# KiCad board glasgow-pmod.kicad_pcb
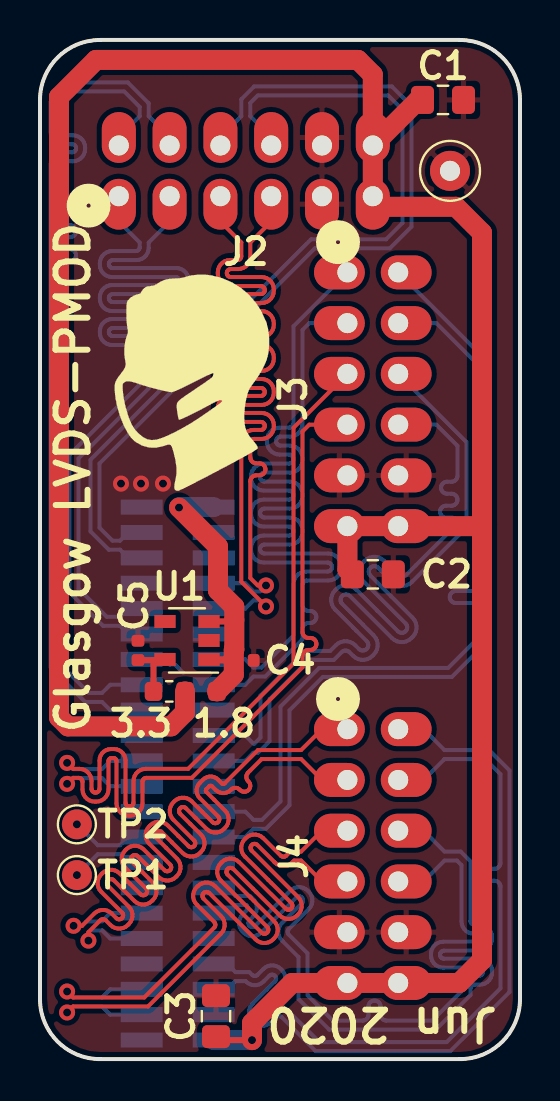
[diagram p0: board, top side]
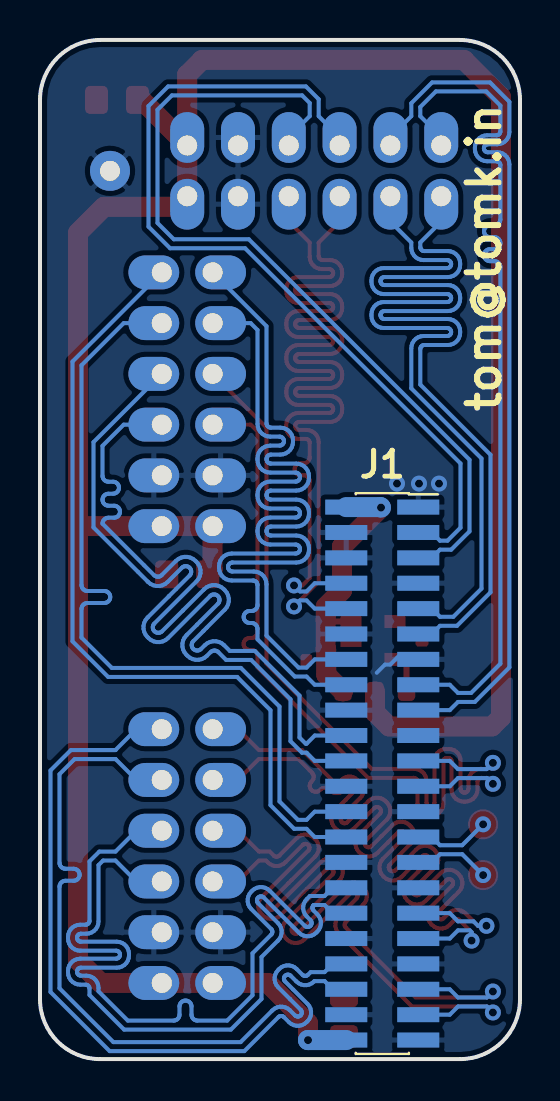
[diagram p1: board, bottom side, seen from below]

Outline 24 x 51 mm; copper layers: Top, Bottom. Coordinates in mm from the lower left corner of the outline.
Outline path: 0,48 0,3 arc(0.88,0.88) 3,0 21,0 arc(23.12,0.88) 24,3 24,48 arc(23.12,50.12) 21,51 3,51 arc(0.88,50.12) 0,48

## Placement (name value [footprint] x y rotation side)
C1  10uF/10V  [C_0805_2012Metric_Pad1.15x1.40mm_HandSolder]  20.15 48 0 top
C2  10uF/10V  [C_0805_2012Metric_Pad1.15x1.40mm_HandSolder]  16.64 24.26 0 top
C3  10uF/10V  [C_0805_2012Metric_Pad1.15x1.40mm_HandSolder]  8.8 2.15 90 top
C4  1uF/6.3V  [C_0402_1005Metric]  10.2 19.95 0 top
C5  1uF/6.3V  [C_0402_1005Metric]  4.9 20.45 90 top
G***  LOGO  [mask_600]  7.6 33.85 0 top
J1  Conn_02x22_Odd_Even  [PinSocket_2x22_P1.27mm_Vertical_SMD]  6.89 14.29 180 bottom
J2  PMOD-2x6-FEMALE  [PMOD_2X6_PTH_RA_SOCKET]  10.29 44.45 180 top
J3  PMOD-2x6-FEMALE  [PMOD_2X6_PTH_RA_SOCKET]  16.64 33.02 90 top
J4  PMOD-2x6-FEMALE  [PMOD_2X6_PTH_RA_SOCKET]  16.64 10.16 90 top
R1  R_1OF2  [C_0603_1608Metric_1OF2]  7.26 18.4 0 top
TP1  Z3_N  [TestPoint_Pad_D1.5mm]  1.84 9.21 0 top
TP2  Z3_P  [TestPoint_Pad_D1.5mm]  1.84 11.75 0 top
TP3  GND  [TestPoint_Loop_D2.50mm_Drill1.0mm]  20.5 44.45 0 top
U1  AP2112K-1.8  [SOT-23-5]  7.35 20.95 180 top

## Footprints (pads in the part's own frame, mm; a bottom-side part is the same pattern mirrored in y, then rotated)
C_0402_1005Metric
  rrect 0.59x0.64 smd: 1(-0.485,0) 2(0.485,0)
C_0603_1608Metric_1OF2
  rrect 0.875x0.95 smd: 1(-1.587,0) 2(-0.013,0) 3(1.587,0)
C_0805_2012Metric_Pad1.15x1.40mm_HandSolder
  rrect 1.15x1.4 smd: 1(-1.025,0) 2(1.025,0)
PinSocket_2x22_P1.27mm_Vertical_SMD
  rect 2.1x0.75 smd: 1(1.8,13.335) 2(-1.8,13.335) 3(1.8,12.065) 4(-1.8,12.065) 5(1.8,10.795) 6(-1.8,10.795) 7(1.8,9.525) 8(-1.8,9.525) 9(1.8,8.255) 10(-1.8,8.255) 11(1.8,6.985) 12(-1.8,6.985) 13(1.8,5.715) 14(-1.8,5.715) 15(1.8,4.445) 16(-1.8,4.445) 17(1.8,3.175) 18(-1.8,3.175) 19(1.8,1.905) 20(-1.8,1.905) 21(1.8,0.635) 22(-1.8,0.635) 23(1.8,-0.635) 24(-1.8,-0.635) 25(1.8,-1.905) 26(-1.8,-1.905) 27(1.8,-3.175) 28(-1.8,-3.175) 29(1.8,-4.445) 30(-1.8,-4.445) 31(1.8,-5.715) 32(-1.8,-5.715) 33(1.8,-6.985) 34(-1.8,-6.985) 35(1.8,-8.255) 36(-1.8,-8.255) 37(1.8,-9.525) 38(-1.8,-9.525) 39(1.8,-10.795) 40(-1.8,-10.795) 41(1.8,-12.065) 42(-1.8,-12.065) 43(1.8,-13.335) 44(-1.8,-13.335)
PMOD_2X6_PTH_RA_SOCKET
  oval 1.7x2.54 hole 1: 1(6.35,1.27) 2(3.81,1.27) 3(1.27,1.27) 4(-1.27,1.27) 5(-3.81,1.27) 6(-6.35,1.27) 7(6.35,-1.27) 8(3.81,-1.27) 9(1.27,-1.27) 10(-1.27,-1.27) 11(-3.81,-1.27) 12(-6.35,-1.27)
SOT-23-5
  rect 1.06x0.65 smd: 1(-1.1,0.95) 2(-1.1,0) 3(-1.1,-0.95) 4(1.1,-0.95) 5(1.1,0.95)
TestPoint_Loop_D2.50mm_Drill1.0mm
  round 2 hole 1: 1(0,0)
TestPoint_Pad_D1.5mm
  round 1.5 smd: 1(0,0)

## Nets
+1V8: C5.1 R1.1 U1.5
+3V3: C4.1 J1.2 R1.3 U1.1 U1.3
GND: C1.2 C2.2 C3.2 C4.2 C5.2 J1.1 J1.4 J1.6 J1.7 J1.12 J1.13 J1.18 J1.19 J1.24 J1.25 J1.30 J1.31 J1.36 J1.37 J1.42 J1.43 J2.5 J2.11 J3.5 J3.11 J4.5 J4.11 TP3.1 U1.2
/VIO_AUX: C1.1 C2.1 C3.1 J1.44 J2.6 J2.12 J3.6 J3.12 J4.6 J4.12 R1.2
/Z0_N: J1.41 J4.4
/Z0_P: J1.39 J4.3
/Z1_N: J1.38 J4.8
/Z1_P: J1.40 J4.7
/Z2_N: J1.33 J4.1
/Z2_P: J1.35 J4.2
/Z3_N: J1.29 TP1.1
/Z3_P: J1.27 TP2.1
/Z4_N: J1.34 J4.9
/Z4_P: J1.32 J4.10
/Z5_N: J1.26 J3.8
/Z5_P: J1.28 J3.7
/Z6_N: J1.23 J3.4
/Z6_P: J1.21 J3.3
/Z7_N: J1.20 J3.10
/Z7_P: J1.22 J3.9
/Z8_N: J1.17 J2.8
/Z8_P: J1.15 J2.7
/Z9_N: J1.14 J3.1
/Z9_P: J1.16 J3.2
/Z10_N: J1.11 J2.1
/Z10_P: J1.9 J2.2
/Z11_N: J1.3 J2.9
/Z11_P: J1.5 J2.10
/Z12_N: J1.10 J2.3
/Z12_P: J1.8 J2.4
Net-(U1-Pad4): U1.4

## Via types
v1: diameter 0.8, hole 0.4, Top to Bottom, 15 vias

## Routing (per net, layer and track width the routed paths; a pad name or vN(x,y) marks a point on that pad's centre or on a via; arc(x,y) is an arc through that point)
+1V8: length 3.2
  Top w0.305: 5.68,18.4 5.68,19.95 5.66,19.97 ; C5.1 5.66,19.97 ; 5.66,19.97 6.22,19.97 U1.5 5.95,20
+3V3: length 17
  Top w0.305: 9.72,21.97 9.65,21.9 U1.3 ; 8.5,19.95 U1.1 9.22,20 9.72,20.5 9.72,19.95 8.5,19.95
  Top w1: v1(6.95,27.6) 8.9,25.65 8.9,23.45 9.72,22.64 9.72,20.5 9.69,20.47 9.69,19.24 R1.3
  Bottom w1: v1(6.95,27.6) 6.97,27.62 8.69,27.62
GND: length 1.6
  Bottom w0.2: 5.97,20.26 6.49,19.74 6.75,19.74 7.16,19.33
  vias: v1(4.05,28.8) v1(5.05,28.8) v1(6.15,28.8)
/VIO_AUX: length 134.9
  Top w0.305: C3.1 8.97,0.95 v1(10.6,0.95)
  Top w1: v1(10.6,0.95) 10.6,1.8 12.61,3.81 J4.6 J4.12 20.96,3.81 22.1,4.95 22.1,26.75 ; 22.1,26.75 22.1,41.35 20.8,42.65 17.17,42.65 J2.6 ; 22.1,26.75 22.02,26.67 J3.12 J3.6 15.37,24.5 15.62,24.26 ; J2.12 16.64,49.26 15.9,50 2.8,50 0.95,48.15 0.95,17.1 1.4,16.65 6.55,16.65 7.25,17.35 R1.2 ; J2.12 J2.6 ; J2.12 18.92,48 C1.1 ; 16.94,42.88 J2.6
  Bottom w1: v1(10.6,0.95) 10.6,0.95 J1.44
/Z0_N: length 40
  Top w0.2: J4.4 14.1,8.89 13.06,9.94 12.7,9.94 12.61,9.84 12.5,9.75 12.38,9.69 12.24,9.66 12.11,9.66 11.97,9.69 11.85,9.75 11.74,9.84 10.87,10.71 10.83,10.74 10.79,10.76 10.75,10.77 10.7,10.77 10.66,10.76 10.62,10.74 10.58,10.71 10.56,10.68 10.54,10.64 10.53,10.59 10.53,10.55 10.54,10.51 10.56,10.47 10.58,10.43 12.91,8.11 12.99,8 13.05,7.88 13.08,7.74 13.08,7.61 13.05,7.47 12.99,7.35 12.91,7.24 12.85,7.19 12.75,7.1 12.62,7.04 12.49,7.01 12.35,7.01 12.22,7.04 12.1,7.1 11.99,7.19 9.67,9.51 9.63,9.54 9.59,9.56 9.55,9.57 9.5,9.57 9.46,9.56 9.42,9.54 9.38,9.51 9.35,9.48 9.34,9.44 9.33,9.39 9.33,9.35 9.34,9.3 9.35,9.26 9.38,9.23 11.71,6.91 11.79,6.8 11.85,6.68 11.88,6.54 11.88,6.4 11.85,6.27 11.79,6.15 11.71,6.04 11.65,5.99 11.54,5.9 11.42,5.84 11.29,5.81 11.15,5.81 11.02,5.84 10.89,5.9 10.79,5.99 8.46,8.31 8.43,8.34 8.39,8.36 8.34,8.37 8.3,8.37 8.26,8.36 8.22,8.34 8.18,8.31 8.15,8.27 8.13,8.23 8.12,8.19 8.12,8.15 8.13,8.1 8.15,8.06 8.18,8.03 9.05,7.15 9.14,7.05 9.2,6.92 9.23,6.79 9.23,6.65 9.2,6.52 9.14,6.39 9.05,6.29 5.4,2.63 1.66,2.63 v1(1.35,2.33)
  Bottom w0.2: v1(1.35,2.33) 1.66,2.63 3.1,2.63 3.51,2.22 J1.41
/Z0_P: length 40
  Top w0.2: J4.3 14.1,11.43 13.06,10.39 12.52,10.39 12.32,10.18 12.28,10.16 12.24,10.14 12.2,10.13 12.15,10.13 12.11,10.14 12.07,10.16 12.03,10.18 11.16,11.06 11.05,11.14 10.93,11.2 10.79,11.23 10.66,11.23 10.52,11.2 10.4,11.14 10.29,11.06 10.24,11.01 10.15,10.9 10.09,10.77 10.06,10.64 10.06,10.5 10.09,10.37 10.15,10.25 10.24,10.14 12.56,7.82 12.59,7.78 12.61,7.74 12.62,7.7 12.62,7.65 12.61,7.61 12.59,7.57 12.56,7.53 12.53,7.51 12.49,7.49 12.44,7.48 12.4,7.48 12.35,7.49 12.31,7.51 12.28,7.53 9.96,9.86 9.85,9.94 9.73,10 9.59,10.03 9.46,10.03 9.32,10 9.2,9.94 9.09,9.86 9.04,9.8 8.95,9.7 8.89,9.57 8.86,9.44 8.86,9.3 8.89,9.17 8.95,9.04 9.04,8.94 11.36,6.61 11.39,6.58 11.41,6.54 11.42,6.5 11.42,6.45 11.41,6.41 11.39,6.37 11.36,6.33 11.33,6.3 11.28,6.28 11.24,6.27 11.2,6.27 11.15,6.28 11.11,6.3 11.08,6.33 8.75,8.65 8.65,8.74 8.52,8.8 8.39,8.83 8.25,8.83 8.12,8.8 8,8.74 7.89,8.65 7.84,8.6 7.75,8.49 7.69,8.37 7.66,8.24 7.66,8.1 7.69,7.97 7.75,7.84 7.84,7.73 8.71,6.86 8.74,6.83 8.76,6.79 8.77,6.74 8.77,6.7 8.76,6.65 8.74,6.61 8.71,6.58 5.21,3.08 1.66,3.08 v1(1.35,3.38)
  Bottom w0.2: J1.39 3.51,3.49 3.1,3.08 1.66,3.08 v1(1.35,3.38)
/Z1_N: length 40.5
  Bottom w0.2: 20.22,15.02 21.79,15.02 ; 20.22,15.02 22.27,15.02 23.03,14.26 23.03,9.83 23.02,9.76 23,9.69 22.96,9.64 22.91,9.59 22.86,9.55 22.79,9.53 22.72,9.53 22.32,9.53 22.25,9.52 22.19,9.5 22.13,9.46 22.09,9.41 22.05,9.36 22.03,9.29 22.02,9.22 22.03,9.16 22.05,9.09 22.09,9.04 22.13,8.99 22.19,8.95 22.25,8.93 22.32,8.92 22.72,8.92 22.79,8.92 22.86,8.9 22.91,8.86 22.96,8.81 23,8.76 23.02,8.69 23.03,8.62 23.03,3.54 20.33,0.85 13.97,0.85 12.37,2.44 12.27,2.53 12.14,2.59 12.01,2.62 11.87,2.62 11.74,2.59 11.61,2.53 11.51,2.44 11.25,2.19 11.22,2.16 11.18,2.14 11.13,2.13 11.09,2.13 11.04,2.14 11,2.16 10.97,2.19 10.94,2.22 10.92,2.26 10.91,2.31 10.91,2.35 10.92,2.4 10.94,2.44 10.97,2.47 12.09,3.59 12.18,3.7 12.24,3.82 12.27,3.96 12.27,4.1 12.24,4.23 12.18,4.35 12.09,4.46 12.04,4.51 11.93,4.6 11.81,4.66 11.67,4.69 11.54,4.69 11.4,4.66 11.28,4.6 11.17,4.51 10.88,4.22 10.84,4.19 10.8,4.17 10.76,4.16 10.72,4.16 10.67,4.17 10.63,4.19 10.6,4.22 10.47,4.35 9.77,4.35 9.36,4.76 8.69,4.76 ; 20.22,15.02 19.18,13.97 J4.8
/Z1_P: length 40.6
  Bottom w0.2: 20.22,15.47 22.45,15.47 23.47,14.44 23.47,3.36 20.52,0.4 13.78,0.4 12.08,2.1 12.05,2.13 12.01,2.15 11.96,2.16 11.92,2.16 11.87,2.15 11.83,2.13 11.8,2.1 11.54,1.84 11.44,1.76 11.31,1.7 11.18,1.67 11.04,1.67 10.91,1.7 10.78,1.76 10.68,1.84 10.62,1.9 10.54,2 10.48,2.13 10.45,2.26 10.45,2.4 10.48,2.53 10.54,2.66 10.62,2.76 11.75,3.89 11.77,3.92 11.79,3.96 11.8,4 11.8,4.05 11.79,4.09 11.77,4.13 11.75,4.17 11.71,4.2 11.67,4.22 11.63,4.23 11.58,4.23 11.54,4.22 11.5,4.2 11.46,4.17 11.17,3.88 11.06,3.79 10.94,3.73 10.81,3.7 10.67,3.7 10.54,3.73 10.41,3.79 10.31,3.88 10.28,3.9 9.77,3.9 9.36,3.49 J1.40 ; 20.22,15.47 19.18,16.51 J4.7 ; 20.22,15.47 21.98,15.47
/Z2_N: length 40
  Top w0.2: v1(1.68,6.67) 2.1,6.67 2.72,7.29 2.82,7.37 2.95,7.43 3.08,7.46 3.22,7.46 3.35,7.43 3.48,7.37 3.58,7.29 3.82,7.05 3.85,7.02 3.89,7.01 3.94,7 3.98,7 4.02,7.01 4.06,7.02 4.1,7.05 4.13,7.09 4.15,7.13 4.16,7.17 4.16,7.22 4.15,7.26 4.13,7.3 4.1,7.34 3.06,8.38 2.97,8.48 2.91,8.61 2.88,8.74 2.88,8.88 2.91,9.01 2.97,9.13 3.06,9.24 3.11,9.3 3.22,9.38 3.34,9.44 3.48,9.47 3.61,9.47 3.75,9.44 3.87,9.38 3.98,9.3 5.02,8.25 5.05,8.23 5.09,8.21 5.14,8.2 5.18,8.2 5.23,8.21 5.27,8.23 5.3,8.25 5.33,8.29 5.35,8.33 5.36,8.37 5.36,8.42 5.35,8.46 5.33,8.5 5.3,8.54 4.26,9.58 4.18,9.69 4.12,9.81 4.09,9.94 4.09,10.08 4.12,10.21 4.18,10.34 4.26,10.44 4.31,10.5 4.42,10.58 4.55,10.64 4.68,10.67 4.82,10.67 4.95,10.64 5.07,10.58 5.18,10.5 6.22,9.46 6.26,9.43 6.3,9.41 6.34,9.4 6.38,9.4 6.43,9.41 6.47,9.43 6.5,9.46 6.53,9.49 6.55,9.53 6.56,9.58 6.56,9.62 6.55,9.66 6.53,9.7 6.5,9.74 5.46,10.78 5.38,10.89 5.32,11.01 5.29,11.14 5.29,11.28 5.32,11.42 5.38,11.54 5.46,11.65 5.52,11.7 5.62,11.78 5.75,11.84 5.88,11.87 6.02,11.87 6.15,11.84 6.28,11.78 6.38,11.7 7.42,10.66 7.46,10.63 7.5,10.61 7.54,10.6 7.59,10.6 7.63,10.61 7.67,10.63 7.71,10.66 7.73,10.69 7.75,10.73 7.76,10.78 7.76,10.82 7.75,10.87 7.73,10.91 7.71,10.94 6.67,11.98 6.58,12.09 6.52,12.21 6.49,12.35 6.49,12.48 6.52,12.62 6.58,12.74 6.67,12.85 6.72,12.9 6.83,12.99 6.95,13.05 7.08,13.08 7.22,13.08 7.35,13.05 7.48,12.99 7.58,12.9 8.62,11.86 8.66,11.83 8.7,11.81 8.74,11.8 8.79,11.8 8.83,11.81 8.87,11.83 8.91,11.86 8.94,11.9 8.95,11.94 8.96,11.98 8.96,12.02 8.95,12.07 8.94,12.11 8.91,12.14 7.98,13.07 7.91,13.16 7.86,13.27 7.83,13.38 7.83,13.5 7.86,13.61 7.91,13.72 7.98,13.81 8.16,13.99 8.25,14.06 8.36,14.11 8.47,14.14 8.59,14.14 8.7,14.11 8.81,14.06 8.9,13.99 9.08,13.81 9.1,13.79 9.13,13.78 9.15,13.77 9.17,13.77 9.2,13.78 9.22,13.79 9.24,13.81 10.9,15.47 13.06,15.47 14.1,16.51 J4.1
  Bottom w0.2: J1.33 3.51,7.3 3.1,6.89 2.32,6.89 2.1,6.67 v1(1.68,6.67)
/Z2_P: length 40
  Top w0.2: v1(2.42,5.93) 2.42,6.35 3.01,6.94 3.04,6.97 3.08,6.99 3.13,7 3.17,7 3.22,6.99 3.26,6.97 3.29,6.94 3.52,6.71 3.63,6.62 3.76,6.56 3.89,6.53 4.03,6.53 4.16,6.56 4.28,6.62 4.39,6.71 4.44,6.76 4.53,6.87 4.59,6.99 4.62,7.13 4.62,7.26 4.59,7.4 4.53,7.52 4.44,7.63 3.4,8.67 3.38,8.7 3.36,8.74 3.35,8.79 3.35,8.83 3.36,8.87 3.38,8.92 3.4,8.95 3.44,8.98 3.48,9 3.52,9.01 3.57,9.01 3.61,9 3.65,8.98 3.69,8.95 4.73,7.91 4.83,7.82 4.96,7.77 5.09,7.73 5.23,7.73 5.36,7.77 5.49,7.82 5.59,7.91 5.65,7.96 5.73,8.07 5.79,8.19 5.82,8.33 5.82,8.46 5.79,8.6 5.73,8.72 5.65,8.83 4.61,9.87 4.58,9.9 4.56,9.94 4.55,9.99 4.55,10.03 4.56,10.08 4.58,10.12 4.61,10.15 4.64,10.18 4.68,10.2 4.72,10.21 4.77,10.21 4.81,10.2 4.85,10.18 4.89,10.15 5.93,9.11 6.04,9.03 6.16,8.97 6.29,8.94 6.43,8.94 6.56,8.97 6.69,9.03 6.8,9.11 6.85,9.17 6.93,9.27 6.99,9.4 7.02,9.53 7.02,9.67 6.99,9.8 6.93,9.92 6.85,10.03 5.81,11.07 5.78,11.11 5.76,11.15 5.75,11.19 5.75,11.24 5.76,11.28 5.78,11.32 5.81,11.35 5.84,11.38 5.88,11.4 5.93,11.41 5.97,11.41 6.02,11.4 6.06,11.38 6.09,11.35 7.13,10.31 7.24,10.23 7.36,10.17 7.5,10.14 7.63,10.14 7.77,10.17 7.89,10.23 8,10.31 8.05,10.37 8.14,10.47 8.2,10.6 8.23,10.73 8.23,10.87 8.2,11 8.14,11.13 8.05,11.23 7.01,12.27 6.98,12.31 6.96,12.35 6.95,12.39 6.95,12.44 6.96,12.48 6.98,12.52 7.01,12.56 7.05,12.58 7.09,12.6 7.13,12.61 7.17,12.61 7.22,12.6 7.26,12.58 7.29,12.56 8.33,11.52 8.44,11.43 8.56,11.37 8.7,11.34 8.83,11.34 8.97,11.37 9.09,11.43 9.2,11.52 9.25,11.57 9.34,11.68 9.4,11.8 9.43,11.93 9.43,12.07 9.4,12.2 9.34,12.33 9.25,12.44 8.32,13.36 8.31,13.38 8.3,13.4 8.29,13.43 8.29,13.45 8.3,13.48 8.31,13.5 8.32,13.52 8.45,13.65 8.47,13.66 8.49,13.67 8.52,13.68 8.54,13.68 8.57,13.67 8.59,13.66 8.61,13.65 8.79,13.46 8.88,13.39 8.99,13.34 9.1,13.31 9.22,13.31 9.33,13.34 9.44,13.39 9.53,13.46 9.56,13.49 9.61,13.53 9.67,13.56 9.73,13.57 9.8,13.57 9.87,13.56 9.93,13.53 9.98,13.49 10,13.47 10.05,13.42 10.12,13.39 10.18,13.38 10.25,13.38 10.31,13.39 10.37,13.42 10.43,13.47 10.47,13.52 10.5,13.58 10.51,13.64 10.51,13.71 10.5,13.78 10.47,13.84 10.43,13.89 10.4,13.91 10.36,13.96 10.33,14.02 10.32,14.09 10.32,14.16 10.33,14.22 10.36,14.28 10.4,14.34 11.08,15.02 13.06,15.02 14.1,13.97 J4.2
  Bottom w0.2: J1.35 3.51,6.03 3.1,6.44 2.51,6.44 2.42,6.35 v1(2.42,5.93)
/Z3_N: length 3.8
  Bottom w0.2: 4,10.25 4.41,9.84 5.09,9.84
  Bottom w0.203: 4,10.25 2.89,10.25 v1(1.84,9.21)
/Z3_P: length 3.8
  Bottom w0.2: 4,10.7 4.41,11.11 J1.27
  Bottom w0.203: 4,10.7 2.89,10.7 v1(1.84,11.75)
/Z4_N: length 40
  Bottom w0.2: J1.34 9.36,7.3 9.77,7.71 10.32,7.71 10.35,7.68 10.37,7.64 10.38,7.59 10.38,7.55 10.37,7.51 10.35,7.47 10.32,7.43 10.13,7.24 10.05,7.14 9.99,7.01 9.96,6.88 9.96,6.74 9.99,6.61 10.05,6.49 10.13,6.38 10.19,6.33 10.29,6.24 10.42,6.18 10.55,6.15 10.69,6.15 10.82,6.18 10.95,6.24 11.05,6.33 12.81,8.08 12.85,8.11 12.89,8.13 12.93,8.14 12.98,8.14 13.02,8.13 13.06,8.11 13.09,8.08 13.12,8.05 13.14,8.01 13.15,7.97 13.15,7.92 13.14,7.88 13.12,7.84 13.09,7.8 12.1,6.8 12.01,6.7 11.95,6.57 11.92,6.44 11.92,6.3 11.95,6.17 12.01,6.04 12.1,5.94 12.93,5.11 12.93,3.01 14.46,1.47 19.79,1.47 21.53,3.21 21.53,3.53 21.53,3.57 21.54,3.61 21.57,3.65 21.6,3.68 21.64,3.71 21.68,3.72 21.72,3.72 21.99,3.72 22.12,3.74 22.25,3.79 22.37,3.86 22.47,3.96 22.54,4.07 22.58,4.2 22.6,4.34 22.6,4.41 22.58,4.55 22.54,4.68 22.47,4.79 22.37,4.89 22.25,4.96 22.12,5.01 21.99,5.03 20.2,5.03 20.16,5.03 20.11,5.04 20.08,5.07 20.04,5.1 20.02,5.14 20.01,5.18 20,5.22 20.01,5.27 20.02,5.31 20.04,5.35 20.08,5.38 20.11,5.41 20.16,5.42 20.2,5.42 21.99,5.42 22.12,5.44 22.25,5.49 22.37,5.56 22.47,5.66 22.54,5.77 22.58,5.9 22.6,6.04 22.6,6.11 22.58,6.25 22.54,6.38 22.47,6.49 22.37,6.59 22.25,6.66 22.12,6.71 21.99,6.72 21.72,6.72 21.68,6.73 21.64,6.74 21.6,6.77 21.57,6.8 21.54,6.84 21.53,6.88 21.53,6.92 21.53,9.89 21.03,10.39 20.22,10.39 19.18,11.43 J4.9
/Z4_P: length 40
  Bottom w0.2: J4.10 19.18,8.89 20.22,9.94 20.85,9.94 21.07,9.71 21.07,6.89 21.09,6.75 21.14,6.62 21.21,6.51 21.31,6.41 21.42,6.34 21.55,6.29 21.69,6.28 21.95,6.28 21.99,6.27 22.04,6.26 22.07,6.23 22.11,6.2 22.13,6.16 22.14,6.12 22.15,6.08 22.14,6.03 22.13,5.99 22.11,5.95 22.07,5.92 22.04,5.89 21.99,5.88 21.95,5.88 20.16,5.88 20.03,5.86 19.9,5.81 19.78,5.74 19.68,5.64 19.61,5.53 19.57,5.4 19.55,5.26 19.55,5.19 19.57,5.05 19.61,4.92 19.68,4.81 19.78,4.71 19.9,4.64 20.03,4.59 20.16,4.58 21.95,4.58 21.99,4.57 22.04,4.56 22.07,4.53 22.11,4.5 22.13,4.46 22.14,4.42 22.15,4.38 22.14,4.33 22.13,4.29 22.11,4.25 22.07,4.22 22.04,4.19 21.99,4.18 21.95,4.17 21.69,4.17 21.55,4.16 21.42,4.11 21.31,4.04 21.21,3.94 21.14,3.83 21.09,3.7 21.07,3.56 21.07,3.39 19.61,1.92 17.32,1.92 17.26,1.93 17.19,1.95 17.14,1.99 17.09,2.04 17.05,2.09 17.03,2.16 17.03,2.22 17.03,2.63 17.02,2.7 17,2.76 16.96,2.82 16.91,2.86 16.86,2.9 16.79,2.92 16.72,2.93 16.66,2.92 16.59,2.9 16.54,2.86 16.49,2.82 16.45,2.76 16.43,2.7 16.43,2.63 16.43,2.22 16.42,2.16 16.4,2.09 16.36,2.04 16.31,1.99 16.26,1.95 16.19,1.93 16.12,1.92 14.64,1.92 13.38,3.19 13.38,5.29 12.44,6.23 12.41,6.26 12.39,6.3 12.38,6.35 12.38,6.39 12.39,6.44 12.41,6.48 12.44,6.51 13.44,7.51 13.52,7.62 13.58,7.74 13.61,7.87 13.61,8.01 13.58,8.15 13.52,8.27 13.44,8.38 13.39,8.43 13.28,8.51 13.16,8.57 13.02,8.6 12.88,8.6 12.75,8.57 12.63,8.51 12.52,8.43 10.76,6.67 10.73,6.64 10.69,6.62 10.64,6.61 10.6,6.61 10.55,6.62 10.51,6.64 10.48,6.67 10.45,6.71 10.43,6.75 10.42,6.79 10.42,6.83 10.43,6.88 10.45,6.92 10.48,6.95 10.66,7.14 10.75,7.25 10.81,7.37 10.84,7.5 10.84,7.64 10.81,7.77 10.75,7.9 10.66,8 10.51,8.16 9.77,8.16 9.36,8.57 J1.32
/Z5_N: length 40.8
  Bottom w0.2: J3.8 19.81,36.83 21.93,34.72 21.93,23.72 21.92,23.66 21.9,23.59 21.86,23.54 21.81,23.49 21.76,23.45 21.69,23.43 21.62,23.42 20.79,23.42 20.72,23.42 20.66,23.4 20.6,23.36 20.55,23.31 20.52,23.26 20.49,23.19 20.49,23.12 20.49,23.06 20.52,22.99 20.55,22.94 20.6,22.89 20.66,22.85 20.72,22.83 20.79,22.83 21.62,22.83 21.69,22.82 21.76,22.8 21.81,22.76 21.86,22.71 21.9,22.66 21.92,22.59 21.93,22.53 21.93,21.09 20.41,19.58 13.96,19.58 12.03,17.64 12.03,12.89 11.1,11.97 10.67,11.97 10.26,12.38 J1.26
/Z5_P: length 40.8
  Bottom w0.2: J1.28 10.26,11.11 10.67,11.52 11.29,11.52 12.47,12.71 12.47,17.46 14.14,19.12 20.59,19.12 22.38,20.91 22.38,34.91 J3.7
/Z6_N: length 40
  Top w0.2: J3.4 13.47,31.75 13.12,31.41 13.12,21.38 13.13,21.31 13.15,21.24 13.19,21.19 13.24,21.14 13.29,21.1 13.36,21.08 13.43,21.08 13.52,21.08 13.59,21.07 13.65,21.05 13.71,21.01 13.76,20.96 13.79,20.91 13.81,20.84 13.82,20.78 13.81,20.71 13.79,20.64 13.76,20.59 13.71,20.54 13.65,20.5 13.59,20.48 13.52,20.47 13.43,20.47 13.36,20.47 13.29,20.45 13.24,20.41 13.19,20.36 13.15,20.31 13.13,20.24 13.12,20.17 13.12,19.61 7.59,14.08 5.32,14.08 5.28,14.07 5.24,14.06 5.2,14.03 5.17,14 5.14,13.96 5.13,13.92 5.12,13.88 5.12,12.8 5.11,12.66 5.06,12.53 4.99,12.42 4.89,12.32 4.78,12.25 4.65,12.2 4.51,12.19 4.44,12.19 4.3,12.2 4.17,12.25 4.06,12.32 3.96,12.42 3.89,12.53 3.84,12.66 3.82,12.8 3.82,14.91 3.82,14.94 3.81,14.98 3.79,15.01 3.77,15.03 3.74,15.05 3.7,15.06 3.67,15.06 3.58,15.06 3.55,15.06 3.51,15.05 3.48,15.03 3.46,15.01 3.44,14.98 3.43,14.94 3.43,14.91 3.43,13.5 3.41,13.36 3.36,13.23 3.29,13.12 3.19,13.02 3.08,12.95 2.95,12.9 2.81,12.89 2.74,12.89 2.6,12.9 2.47,12.95 2.36,13.02 2.26,13.12 2.19,13.23 2.14,13.36 2.12,13.5 2.12,13.88 2.12,13.92 2.11,13.96 2.08,14 2.05,14.03 2.01,14.06 1.97,14.07 1.93,14.08 1.66,14.08 v1(1.35,13.78)
  Bottom w0.2: J1.23 3.51,13.65 3.1,14.06
  Bottom w0.203: 3.1,14.06 1.64,14.06 v1(1.35,13.78)
/Z6_P: length 40
  Top w0.2: J3.3 12.68,31.59 12.68,19.79 7.41,14.53 5.29,14.53 5.15,14.51 5.02,14.46 4.91,14.39 4.81,14.29 4.74,14.18 4.69,14.05 4.68,13.91 4.68,12.84 4.67,12.79 4.66,12.75 4.63,12.71 4.6,12.68 4.56,12.66 4.52,12.64 4.47,12.64 4.43,12.64 4.39,12.66 4.35,12.68 4.32,12.71 4.29,12.75 4.28,12.79 4.28,12.84 4.28,14.94 4.26,15.07 4.22,15.19 4.15,15.3 4.06,15.39 3.95,15.46 3.83,15.5 3.7,15.51 3.55,15.51 3.42,15.5 3.3,15.46 3.19,15.39 3.1,15.3 3.03,15.19 2.99,15.07 2.97,14.94 2.97,13.54 2.97,13.49 2.96,13.45 2.93,13.41 2.9,13.38 2.86,13.36 2.82,13.34 2.78,13.34 2.73,13.34 2.69,13.36 2.65,13.38 2.62,13.41 2.59,13.45 2.58,13.49 2.57,13.54 2.57,13.91 2.56,14.05 2.51,14.18 2.44,14.29 2.34,14.39 2.23,14.46 2.1,14.51 1.96,14.53 1.66,14.53 v1(1.35,14.83)
  Bottom w0.2: J1.21 3.51,14.92 3.1,14.51
  Bottom w0.203: v1(1.35,14.83) 1.67,14.51 3.1,14.51
/Z7_N: length 40
  Bottom w0.2: J3.10 19.81,31.75 20.88,30.69 20.88,29.19 20.87,29.13 20.85,29.06 20.81,29.01 20.76,28.96 20.71,28.92 20.64,28.9 20.57,28.89 20.35,28.89 20.28,28.89 20.22,28.86 20.16,28.83 20.12,28.78 20.08,28.72 20.06,28.66 20.05,28.59 20.06,28.53 20.08,28.46 20.12,28.41 20.16,28.36 20.22,28.32 20.28,28.3 20.35,28.29 20.57,28.29 20.64,28.29 20.71,28.26 20.76,28.23 20.81,28.18 20.85,28.12 20.87,28.06 20.88,27.99 20.87,27.93 20.85,27.86 20.81,27.81 20.76,27.76 20.71,27.72 20.64,27.7 20.57,27.69 20.3,27.69 20.23,27.69 20.17,27.66 20.11,27.63 20.07,27.58 20.03,27.52 20.01,27.46 20,27.39 20.01,27.33 20.03,27.26 20.07,27.21 20.11,27.16 20.17,27.12 20.23,27.1 20.3,27.09 20.57,27.09 20.64,27.09 20.71,27.06 20.76,27.03 20.81,26.98 20.85,26.92 20.87,26.86 20.88,26.79 18.3,24.22 18.25,24.18 18.2,24.15 18.14,24.14 18.08,24.14 18.02,24.15 17.96,24.18 17.91,24.22 17.2,24.94 17.08,25.03 16.94,25.1 16.79,25.13 16.64,25.13 16.49,25.1 16.35,25.03 16.23,24.94 16.17,24.88 16.08,24.76 16.01,24.62 15.98,24.47 15.98,24.32 16.01,24.17 16.08,24.03 16.17,23.91 18.28,21.8 18.32,21.75 18.35,21.7 18.36,21.64 18.36,21.58 18.35,21.52 18.32,21.46 18.28,21.41 18.23,21.37 18.18,21.35 18.12,21.33 18.06,21.33 18,21.35 17.94,21.37 17.89,21.41 15.78,23.52 15.66,23.62 15.52,23.68 15.38,23.72 15.22,23.72 15.07,23.68 14.94,23.62 14.82,23.52 14.76,23.46 14.66,23.34 14.6,23.2 14.56,23.06 14.56,22.9 14.6,22.75 14.66,22.62 14.76,22.5 15.83,21.43 16.34,20.91 16.37,20.87 16.4,20.81 16.41,20.75 16.41,20.69 16.4,20.63 16.37,20.58 16.34,20.53 16.33,20.53 16.29,20.49 16.23,20.46 16.17,20.45 16.11,20.45 16.05,20.46 16,20.49 15.95,20.53 15.76,20.71 15.64,20.81 15.5,20.87 15.35,20.91 15.2,20.91 15.05,20.87 14.91,20.81 14.8,20.71 14.51,20.42 13.26,20.42 11.03,18.19 11.03,16.09 10.71,15.78 10.67,15.78 10.26,16.19 J1.20
/Z7_P: length 40
  Bottom w0.2: J1.22 10.26,14.92 10.67,15.33 10.9,15.33 11.47,15.91 11.47,18.01 13.44,19.97 14.69,19.97 15.08,20.37 15.13,20.4 15.19,20.43 15.25,20.44 15.31,20.44 15.37,20.43 15.42,20.4 15.47,20.37 15.66,20.18 15.78,20.08 15.92,20.02 16.06,19.98 16.22,19.98 16.37,20.02 16.5,20.08 16.62,20.18 16.68,20.24 16.78,20.36 16.85,20.5 16.88,20.64 16.88,20.8 16.85,20.95 16.78,21.08 16.68,21.2 16.14,21.74 15.99,21.9 15.1,22.78 15.07,22.83 15.04,22.89 15.03,22.95 15.03,23.01 15.04,23.07 15.07,23.13 15.1,23.17 15.15,23.21 15.21,23.24 15.27,23.25 15.33,23.25 15.39,23.24 15.45,23.21 15.49,23.17 17.6,21.06 17.72,20.97 17.86,20.9 18.01,20.87 18.16,20.87 18.31,20.9 18.45,20.97 18.57,21.06 18.63,21.12 18.72,21.24 18.79,21.38 18.82,21.53 18.82,21.68 18.79,21.83 18.72,21.97 18.63,22.09 16.52,24.2 16.48,24.25 16.45,24.3 16.44,24.36 16.44,24.42 16.45,24.48 16.48,24.54 16.52,24.59 16.57,24.63 16.62,24.65 16.68,24.67 16.74,24.67 16.8,24.65 16.86,24.63 16.91,24.59 17.62,23.87 17.74,23.78 17.88,23.71 18.03,23.68 18.18,23.68 18.33,23.71 18.47,23.78 18.59,23.87 21.32,26.61 21.32,30.88 J3.9
/Z8_N: length 43.9
  Bottom w0.2: J2.8 6.48,46.14 5.44,47.19 5.44,47.83 4.39,48.88 1.5,48.88 0.53,47.9 0.53,46.39 0.55,46.26 0.59,46.13 0.66,46.01 0.76,45.91 0.88,45.84 1.01,45.8 1.14,45.78 1.6,45.78 1.65,45.77 1.69,45.76 1.73,45.74 1.76,45.7 1.79,45.67 1.8,45.62 1.81,45.58 1.8,45.54 1.79,45.49 1.76,45.46 1.73,45.42 1.69,45.4 1.65,45.39 1.6,45.38 1.14,45.38 1.01,45.36 0.88,45.32 0.76,45.25 0.66,45.15 0.59,45.03 0.55,44.9 0.53,44.77 0.53,19.6 2.26,17.87 3.1,17.87 3.51,17.46 J1.17
/Z8_P: length 43.9
  Bottom w0.2: J1.15 3.51,18.73 3.1,18.32 2.45,18.32 0.98,19.79 0.98,39.63 0.99,39.7 1.01,39.76 1.05,39.82 1.09,39.86 1.15,39.9 1.21,39.92 1.28,39.93 1.5,39.93 1.57,39.94 1.63,39.96 1.69,40 1.73,40.04 1.77,40.1 1.79,40.16 1.8,40.23 1.79,40.3 1.77,40.36 1.73,40.42 1.69,40.46 1.63,40.5 1.57,40.52 1.5,40.53 1.28,40.53 1.21,40.54 1.15,40.56 1.09,40.6 1.05,40.64 1.01,40.7 0.99,40.76 0.98,40.83 0.99,40.9 1.01,40.96 1.05,41.02 1.09,41.06 1.15,41.1 1.21,41.12 1.28,41.13 1.5,41.13 1.57,41.14 1.63,41.16 1.69,41.2 1.73,41.24 1.77,41.3 1.79,41.36 1.8,41.43 1.79,41.5 1.77,41.56 1.73,41.62 1.69,41.66 1.63,41.7 1.57,41.72 1.5,41.73 1.28,41.73 1.21,41.74 1.15,41.76 1.09,41.8 1.05,41.84 1.01,41.9 0.99,41.96 0.98,42.03 0.98,44.73 0.99,44.77 1,44.82 1.02,44.85 1.06,44.89 1.09,44.91 1.14,44.92 1.18,44.93 1.64,44.93 1.78,44.95 1.91,44.99 2.02,45.06 2.12,45.16 2.19,45.28 2.24,45.41 2.25,45.54 2.25,45.62 2.24,45.75 2.19,45.88 2.12,46 2.02,46.1 1.91,46.17 1.78,46.21 1.64,46.23 1.18,46.23 1.14,46.24 1.09,46.25 1.06,46.27 1.02,46.31 1,46.34 0.99,46.39 0.98,46.43 0.98,47.72 1.69,48.42 4.21,48.42 4.99,47.65 4.99,47.19 3.94,46.14 J2.7
/Z9_N: length 40
  Bottom w0.2: J1.14 10.26,20 10.67,19.59 11.07,19.59 12.68,21.19 12.68,23.76 12.69,23.91 12.74,24.04 12.81,24.16 12.91,24.26 13.04,24.34 13.17,24.38 13.31,24.4 14.37,24.4 14.42,24.41 14.47,24.42 14.51,24.45 14.55,24.48 14.58,24.53 14.59,24.57 14.6,24.62 14.59,24.68 14.58,24.72 14.55,24.77 14.51,24.8 14.47,24.83 14.42,24.84 14.37,24.85 11.19,24.85 11.05,24.87 10.91,24.91 10.79,24.99 10.69,25.09 10.61,25.21 10.57,25.34 10.55,25.49 10.55,25.56 10.57,25.71 10.61,25.84 10.69,25.96 10.79,26.06 10.91,26.14 11.05,26.18 11.19,26.2 12.45,26.2 12.5,26.21 12.55,26.22 12.59,26.25 12.63,26.28 12.65,26.33 12.67,26.37 12.68,26.42 12.67,26.48 12.65,26.52 12.63,26.57 12.59,26.6 12.55,26.63 12.5,26.64 12.45,26.65 11.19,26.65 11.05,26.67 10.91,26.71 10.79,26.79 10.69,26.89 10.61,27.01 10.57,27.14 10.55,27.29 10.55,27.36 10.57,27.51 10.61,27.64 10.69,27.76 10.79,27.86 10.91,27.94 11.05,27.98 11.19,28 12.45,28 12.5,28.01 12.55,28.02 12.59,28.05 12.63,28.08 12.65,28.13 12.67,28.17 12.68,28.22 12.67,28.28 12.65,28.32 12.63,28.37 12.59,28.4 12.55,28.43 12.5,28.44 12.45,28.45 11.19,28.45 11.05,28.47 10.91,28.51 10.79,28.59 10.69,28.69 10.61,28.81 10.57,28.94 10.55,29.09 10.55,29.16 10.57,29.31 10.61,29.44 10.69,29.56 10.79,29.66 10.91,29.74 11.05,29.78 11.19,29.8 12.45,29.8 12.5,29.81 12.55,29.82 12.59,29.85 12.63,29.88 12.65,29.93 12.67,29.97 12.68,30.03 12.67,30.08 12.65,30.12 12.63,30.17 12.59,30.2 12.55,30.23 12.5,30.24 12.45,30.25 11.99,30.25 11.85,30.27 11.71,30.31 11.59,30.39 11.49,30.49 11.41,30.61 11.37,30.74 11.35,30.89 11.35,30.96 11.37,31.11 11.41,31.24 11.49,31.36 11.59,31.46 11.71,31.54 11.85,31.58 11.99,31.6 12.45,31.6 12.5,31.61 12.55,31.62 12.59,31.65 12.63,31.68 12.65,31.73 12.67,31.77 12.68,31.83 12.68,36.67 J3.1
/Z9_P: length 40
  Bottom w0.2: J3.2 13.47,36.83 13.12,36.49 13.12,31.79 13.11,31.64 13.06,31.51 12.99,31.39 12.89,31.29 12.76,31.21 12.63,31.17 12.49,31.15 12.03,31.15 11.98,31.14 11.93,31.13 11.89,31.1 11.85,31.07 11.82,31.02 11.81,30.98 11.8,30.92 11.81,30.87 11.82,30.83 11.85,30.78 11.89,30.75 11.93,30.72 11.98,30.71 12.03,30.7 12.49,30.7 12.63,30.68 12.76,30.64 12.89,30.56 12.99,30.46 13.06,30.34 13.11,30.21 13.12,30.06 13.12,29.99 13.11,29.84 13.06,29.71 12.99,29.59 12.89,29.49 12.76,29.41 12.63,29.37 12.49,29.35 11.23,29.35 11.18,29.34 11.13,29.33 11.09,29.3 11.05,29.27 11.02,29.22 11.01,29.18 11,29.12 11.01,29.07 11.02,29.03 11.05,28.98 11.09,28.95 11.13,28.92 11.18,28.91 11.23,28.9 12.49,28.9 12.63,28.88 12.76,28.84 12.89,28.76 12.99,28.66 13.06,28.54 13.11,28.41 13.12,28.26 13.12,28.19 13.11,28.04 13.06,27.91 12.99,27.79 12.89,27.69 12.76,27.61 12.63,27.57 12.49,27.55 11.23,27.55 11.18,27.54 11.13,27.53 11.09,27.5 11.05,27.47 11.02,27.42 11.01,27.38 11,27.33 11.01,27.27 11.02,27.23 11.05,27.18 11.09,27.15 11.13,27.12 11.18,27.11 11.23,27.1 12.49,27.1 12.63,27.08 12.76,27.04 12.89,26.96 12.99,26.86 13.06,26.74 13.11,26.61 13.12,26.46 13.12,26.39 13.11,26.24 13.06,26.11 12.99,25.99 12.89,25.89 12.76,25.81 12.63,25.77 12.49,25.75 11.23,25.75 11.18,25.74 11.13,25.73 11.09,25.7 11.05,25.67 11.02,25.62 11.01,25.58 11,25.53 11.01,25.47 11.02,25.43 11.05,25.38 11.09,25.35 11.13,25.32 11.18,25.31 11.23,25.3 14.41,25.3 14.55,25.28 14.69,25.24 14.81,25.16 14.91,25.06 14.99,24.94 15.03,24.81 15.05,24.66 15.05,24.59 15.03,24.44 14.99,24.31 14.91,24.19 14.81,24.09 14.69,24.01 14.55,23.97 14.41,23.95 13.35,23.95 13.3,23.94 13.25,23.93 13.21,23.9 13.17,23.87 13.15,23.82 13.13,23.78 13.12,23.72 13.12,22.72 13.13,22.66 13.15,22.59 13.19,22.54 13.24,22.49 13.29,22.45 13.36,22.43 13.43,22.42 13.52,22.42 13.58,22.42 13.65,22.4 13.7,22.36 13.75,22.31 13.79,22.26 13.81,22.19 13.82,22.12 13.81,22.06 13.79,21.99 13.75,21.94 13.7,21.89 13.65,21.85 13.58,21.83 13.52,21.83 13.43,21.83 13.36,21.82 13.29,21.8 13.24,21.76 13.19,21.71 13.15,21.66 13.13,21.59 13.12,21.53 13.12,21.01 11.26,19.14 10.67,19.14 10.26,18.73 J1.16
/Z10_N: length 44
  Bottom w0.2: J1.11 4.41,21.27 4,21.68 3.15,21.68 1.47,23.36 1.47,30.24 4.99,33.75 4.99,35.53 4.98,35.58 4.97,35.62 4.94,35.66 4.91,35.69 4.87,35.72 4.83,35.73 4.78,35.73 3.61,35.73 3.47,35.75 3.34,35.8 3.22,35.87 3.13,35.97 3.05,36.08 3.01,36.21 2.99,36.35 2.99,36.42 3.01,36.56 3.05,36.69 3.13,36.8 3.22,36.9 3.34,36.97 3.47,37.02 3.61,37.03 6.78,37.03 6.82,37.04 6.86,37.05 6.9,37.08 6.93,37.11 6.96,37.15 6.97,37.19 6.98,37.23 6.97,37.28 6.96,37.32 6.93,37.36 6.9,37.39 6.86,37.42 6.82,37.43 6.78,37.44 3.61,37.44 3.47,37.45 3.34,37.5 3.22,37.57 3.13,37.67 3.05,37.78 3.01,37.91 2.99,38.05 2.99,38.12 3.01,38.26 3.05,38.39 3.13,38.5 3.22,38.6 3.34,38.67 3.47,38.72 3.61,38.73 6.78,38.73 6.82,38.74 6.86,38.75 6.9,38.78 6.93,38.81 6.96,38.85 6.97,38.89 6.98,38.94 6.97,38.98 6.96,39.02 6.93,39.06 6.9,39.09 6.86,39.12 6.82,39.13 6.78,39.14 3.61,39.14 3.47,39.15 3.34,39.2 3.22,39.27 3.13,39.37 3.05,39.48 3.01,39.61 2.99,39.75 2.99,39.82 3.01,39.96 3.05,40.09 3.13,40.2 3.22,40.3 3.34,40.37 3.47,40.42 3.61,40.44 4.78,40.44 4.83,40.44 4.87,40.45 4.91,40.48 4.94,40.51 4.97,40.55 4.98,40.59 4.99,40.64 4.99,40.86 3.94,41.91 J2.1
/Z10_P: length 43.3
  Bottom w0.2: J2.2 6.48,41.91 5.44,40.86 5.44,40.6 5.42,40.46 5.37,40.33 5.3,40.22 5.2,40.12 5.09,40.05 4.96,40 4.82,39.98 3.64,39.98 3.6,39.98 3.56,39.97 3.52,39.94 3.49,39.91 3.46,39.87 3.45,39.83 3.44,39.78 3.45,39.74 3.46,39.7 3.49,39.66 3.52,39.63 3.56,39.6 3.6,39.59 3.64,39.58 6.81,39.58 6.95,39.57 7.08,39.52 7.2,39.45 7.29,39.35 7.37,39.24 7.41,39.11 7.43,38.97 7.43,38.9 7.41,38.76 7.37,38.63 7.29,38.52 7.2,38.42 7.08,38.35 6.95,38.3 6.81,38.28 3.64,38.28 3.6,38.28 3.56,38.27 3.52,38.24 3.49,38.21 3.46,38.17 3.45,38.13 3.44,38.08 3.45,38.04 3.46,38 3.49,37.96 3.52,37.93 3.56,37.9 3.6,37.89 3.64,37.89 6.81,37.89 6.95,37.87 7.08,37.82 7.2,37.75 7.29,37.65 7.37,37.54 7.41,37.41 7.43,37.27 7.43,37.2 7.41,37.06 7.37,36.93 7.29,36.82 7.2,36.72 7.08,36.65 6.95,36.6 6.81,36.58 3.64,36.58 3.6,36.58 3.56,36.57 3.52,36.54 3.49,36.51 3.46,36.47 3.45,36.43 3.44,36.39 3.45,36.34 3.46,36.3 3.49,36.26 3.52,36.23 3.56,36.2 3.6,36.19 3.64,36.19 4.82,36.19 4.96,36.17 5.09,36.12 5.2,36.05 5.3,35.95 5.37,35.84 5.42,35.71 5.44,35.57 5.44,33.57 1.93,30.06 1.93,23.54 3.34,22.13 4,22.13 4.41,22.54 5.09,22.54
/Z11_N: length 44.2
  Bottom w0.2: J1.3 4.41,26.35 4,25.94 3.63,25.94 2.97,26.59 2.97,29.81 13.74,40.58 17.49,40.58 18.57,41.66 18.57,47.69 17.59,48.67 10.71,48.67 10.06,48.03 10.06,47.19 9.02,46.14 J2.9
/Z11_P: length 43.5
  Bottom w0.2: J2.10 11.56,46.14 10.51,47.19 10.51,47.85 10.89,48.22 17.41,48.22 18.12,47.51 18.12,41.84 17.31,41.03 13.56,41.03 2.53,29.99 2.53,26.41 3.44,25.49 4,25.49 4.41,25.08 J1.5
/Z12_N: length 44
  Top w0.2: J2.3 9.02,41.91 10.06,40.86 10.06,40.19 10.06,40.14 10.05,40.1 10.02,40.06 9.99,40.03 9.95,40 9.91,39.99 9.87,39.98 9.5,39.98 9.37,39.97 9.24,39.92 9.12,39.85 9.02,39.75 8.95,39.64 8.91,39.51 8.89,39.37 8.89,39.3 8.91,39.16 8.95,39.03 9.02,38.92 9.12,38.82 9.24,38.75 9.37,38.7 9.5,38.69 11.04,38.69 11.08,38.68 11.13,38.67 11.16,38.64 11.2,38.61 11.22,38.57 11.23,38.53 11.24,38.48 11.23,38.44 11.22,38.4 11.2,38.36 11.16,38.33 11.13,38.3 11.08,38.29 11.04,38.28 9.5,38.28 9.37,38.27 9.24,38.22 9.12,38.15 9.02,38.05 8.95,37.94 8.91,37.81 8.89,37.67 8.89,37.6 8.91,37.46 8.95,37.33 9.02,37.22 9.12,37.12 9.24,37.05 9.37,37 9.5,36.98 11.04,36.98 11.08,36.98 11.13,36.97 11.16,36.94 11.2,36.91 11.22,36.87 11.23,36.83 11.24,36.78 11.23,36.74 11.22,36.7 11.2,36.66 11.16,36.63 11.13,36.6 11.08,36.59 11.04,36.58 9.5,36.58 9.37,36.57 9.24,36.52 9.12,36.45 9.02,36.35 8.95,36.24 8.91,36.11 8.89,35.97 8.89,35.9 8.91,35.76 8.95,35.63 9.02,35.52 9.12,35.42 9.24,35.35 9.37,35.3 9.5,35.28 11.04,35.28 11.08,35.28 11.13,35.27 11.16,35.24 11.2,35.21 11.22,35.17 11.23,35.13 11.24,35.08 11.23,35.04 11.22,35 11.2,34.96 11.16,34.93 11.13,34.9 11.08,34.89 11.04,34.89 9.5,34.89 9.37,34.87 9.24,34.82 9.12,34.75 9.02,34.65 8.95,34.54 8.91,34.41 8.89,34.27 8.89,34.2 8.91,34.06 8.95,33.93 9.02,33.82 9.12,33.72 9.24,33.65 9.37,33.6 9.5,33.58 11.04,33.58 11.08,33.58 11.13,33.57 11.16,33.54 11.2,33.51 11.22,33.47 11.23,33.43 11.24,33.39 11.23,33.34 11.22,33.3 11.2,33.26 11.16,33.23 11.13,33.2 11.08,33.19 11.04,33.19 9.5,33.19 9.37,33.17 9.24,33.12 9.12,33.05 9.02,32.95 8.95,32.84 8.91,32.71 8.89,32.57 8.89,32.5 8.91,32.36 8.95,32.23 9.02,32.12 9.12,32.02 9.24,31.95 9.37,31.9 9.5,31.89 11.04,31.89 11.08,31.88 11.13,31.87 11.16,31.84 11.2,31.81 11.22,31.77 11.23,31.73 11.24,31.69 11.23,31.64 11.22,31.6 11.2,31.56 11.16,31.53 11.13,31.5 11.08,31.49 11.04,31.48 10.68,31.48 10.54,31.47 10.41,31.42 10.3,31.35 10.2,31.25 10.13,31.14 10.08,31.01 10.06,30.87 10.06,23.89 v1(11.3,22.65)
  Bottom w0.2: v1(11.3,22.65) 11,22.95 10.67,22.95 10.26,22.54 8.69,22.54
/Z12_P: length 44
  Top w0.2: v1(11.3,23.7) 10.89,23.7 10.51,24.07 10.51,28.92 10.52,28.98 10.54,29.05 10.58,29.1 10.63,29.15 10.68,29.19 10.75,29.21 10.81,29.22 10.97,29.22 11.04,29.22 11.1,29.24 11.16,29.28 11.21,29.33 11.24,29.38 11.26,29.45 11.27,29.52 11.26,29.58 11.24,29.65 11.21,29.7 11.16,29.75 11.1,29.79 11.04,29.81 10.97,29.81 10.81,29.81 10.75,29.82 10.68,29.84 10.63,29.88 10.58,29.93 10.54,29.98 10.52,30.05 10.51,30.11 10.51,30.83 10.52,30.88 10.53,30.92 10.56,30.96 10.59,30.99 10.63,31.02 10.67,31.03 10.72,31.03 11.08,31.03 11.21,31.05 11.34,31.1 11.46,31.17 11.56,31.27 11.63,31.38 11.67,31.51 11.69,31.65 11.69,31.72 11.67,31.86 11.63,31.99 11.56,32.1 11.46,32.2 11.34,32.27 11.21,32.32 11.08,32.33 9.54,32.33 9.5,32.34 9.45,32.35 9.42,32.38 9.38,32.41 9.36,32.45 9.35,32.49 9.34,32.53 9.35,32.58 9.36,32.62 9.38,32.66 9.42,32.69 9.45,32.72 9.5,32.73 9.54,32.73 11.08,32.73 11.21,32.75 11.34,32.8 11.46,32.87 11.56,32.97 11.63,33.08 11.67,33.21 11.69,33.35 11.69,33.42 11.67,33.56 11.63,33.69 11.56,33.8 11.46,33.9 11.34,33.97 11.21,34.02 11.08,34.03 9.54,34.03 9.5,34.04 9.45,34.05 9.42,34.08 9.38,34.11 9.36,34.15 9.35,34.19 9.34,34.23 9.35,34.28 9.36,34.32 9.38,34.36 9.42,34.39 9.45,34.42 9.5,34.43 9.54,34.44 11.08,34.44 11.21,34.45 11.34,34.5 11.46,34.57 11.56,34.67 11.63,34.78 11.67,34.91 11.69,35.05 11.69,35.12 11.67,35.26 11.63,35.39 11.56,35.5 11.46,35.6 11.34,35.67 11.21,35.72 11.08,35.73 9.54,35.73 9.5,35.74 9.45,35.75 9.42,35.78 9.38,35.81 9.36,35.85 9.35,35.89 9.34,35.94 9.35,35.98 9.36,36.02 9.38,36.06 9.42,36.09 9.45,36.12 9.5,36.13 9.54,36.14 11.08,36.14 11.21,36.15 11.34,36.2 11.46,36.27 11.56,36.37 11.63,36.48 11.67,36.61 11.69,36.75 11.69,36.82 11.67,36.96 11.63,37.09 11.56,37.2 11.46,37.3 11.34,37.37 11.21,37.42 11.08,37.44 9.54,37.44 9.5,37.44 9.45,37.45 9.42,37.48 9.38,37.51 9.36,37.55 9.35,37.59 9.34,37.64 9.35,37.68 9.36,37.72 9.38,37.76 9.42,37.79 9.45,37.82 9.5,37.83 9.54,37.83 11.08,37.83 11.21,37.85 11.34,37.9 11.46,37.97 11.56,38.07 11.63,38.18 11.67,38.31 11.69,38.45 11.69,38.52 11.67,38.66 11.63,38.79 11.56,38.9 11.46,39 11.34,39.07 11.21,39.12 11.08,39.14 9.54,39.14 9.5,39.14 9.45,39.15 9.42,39.18 9.38,39.21 9.36,39.25 9.35,39.29 9.34,39.33 9.35,39.38 9.36,39.42 9.38,39.46 9.42,39.49 9.45,39.52 9.5,39.53 9.54,39.53 9.9,39.53 10.04,39.55 10.17,39.6 10.28,39.67 10.38,39.77 10.45,39.88 10.5,40.01 10.51,40.15 10.51,40.86 11.56,41.91 J2.4
  Bottom w0.2: v1(11.3,23.7) 11,23.4 10.67,23.4 10.26,23.81 J1.8

## Copper pours and planes (outline as drawn; the poured copper is in the pictures)
GND on Top: 24.1,-0.15 0.1,-0.15 0,50.95 24.1,50.95
GND on Bottom: 24.1,-0.15 0.1,-0.15 0,50.95 24.1,50.95

## Text on the board
B.SilkS: tom@tomk.in
F.SilkS: 3.3 | 1.8 | Glasgow LVDS-PMOD | Jun 2020
